# Altium PCB DM4K.pcbdoc (part 4 of 4)
Units mil, origin at the board's own origin, x right, y up, seen from the top; angles counter-clockwise.
Board outline 5262.35 x 2895 mil, 2 copper layers (Top Layer, Bottom Layer); 168 components, 255 nets, 1031 pads, 423 vias.
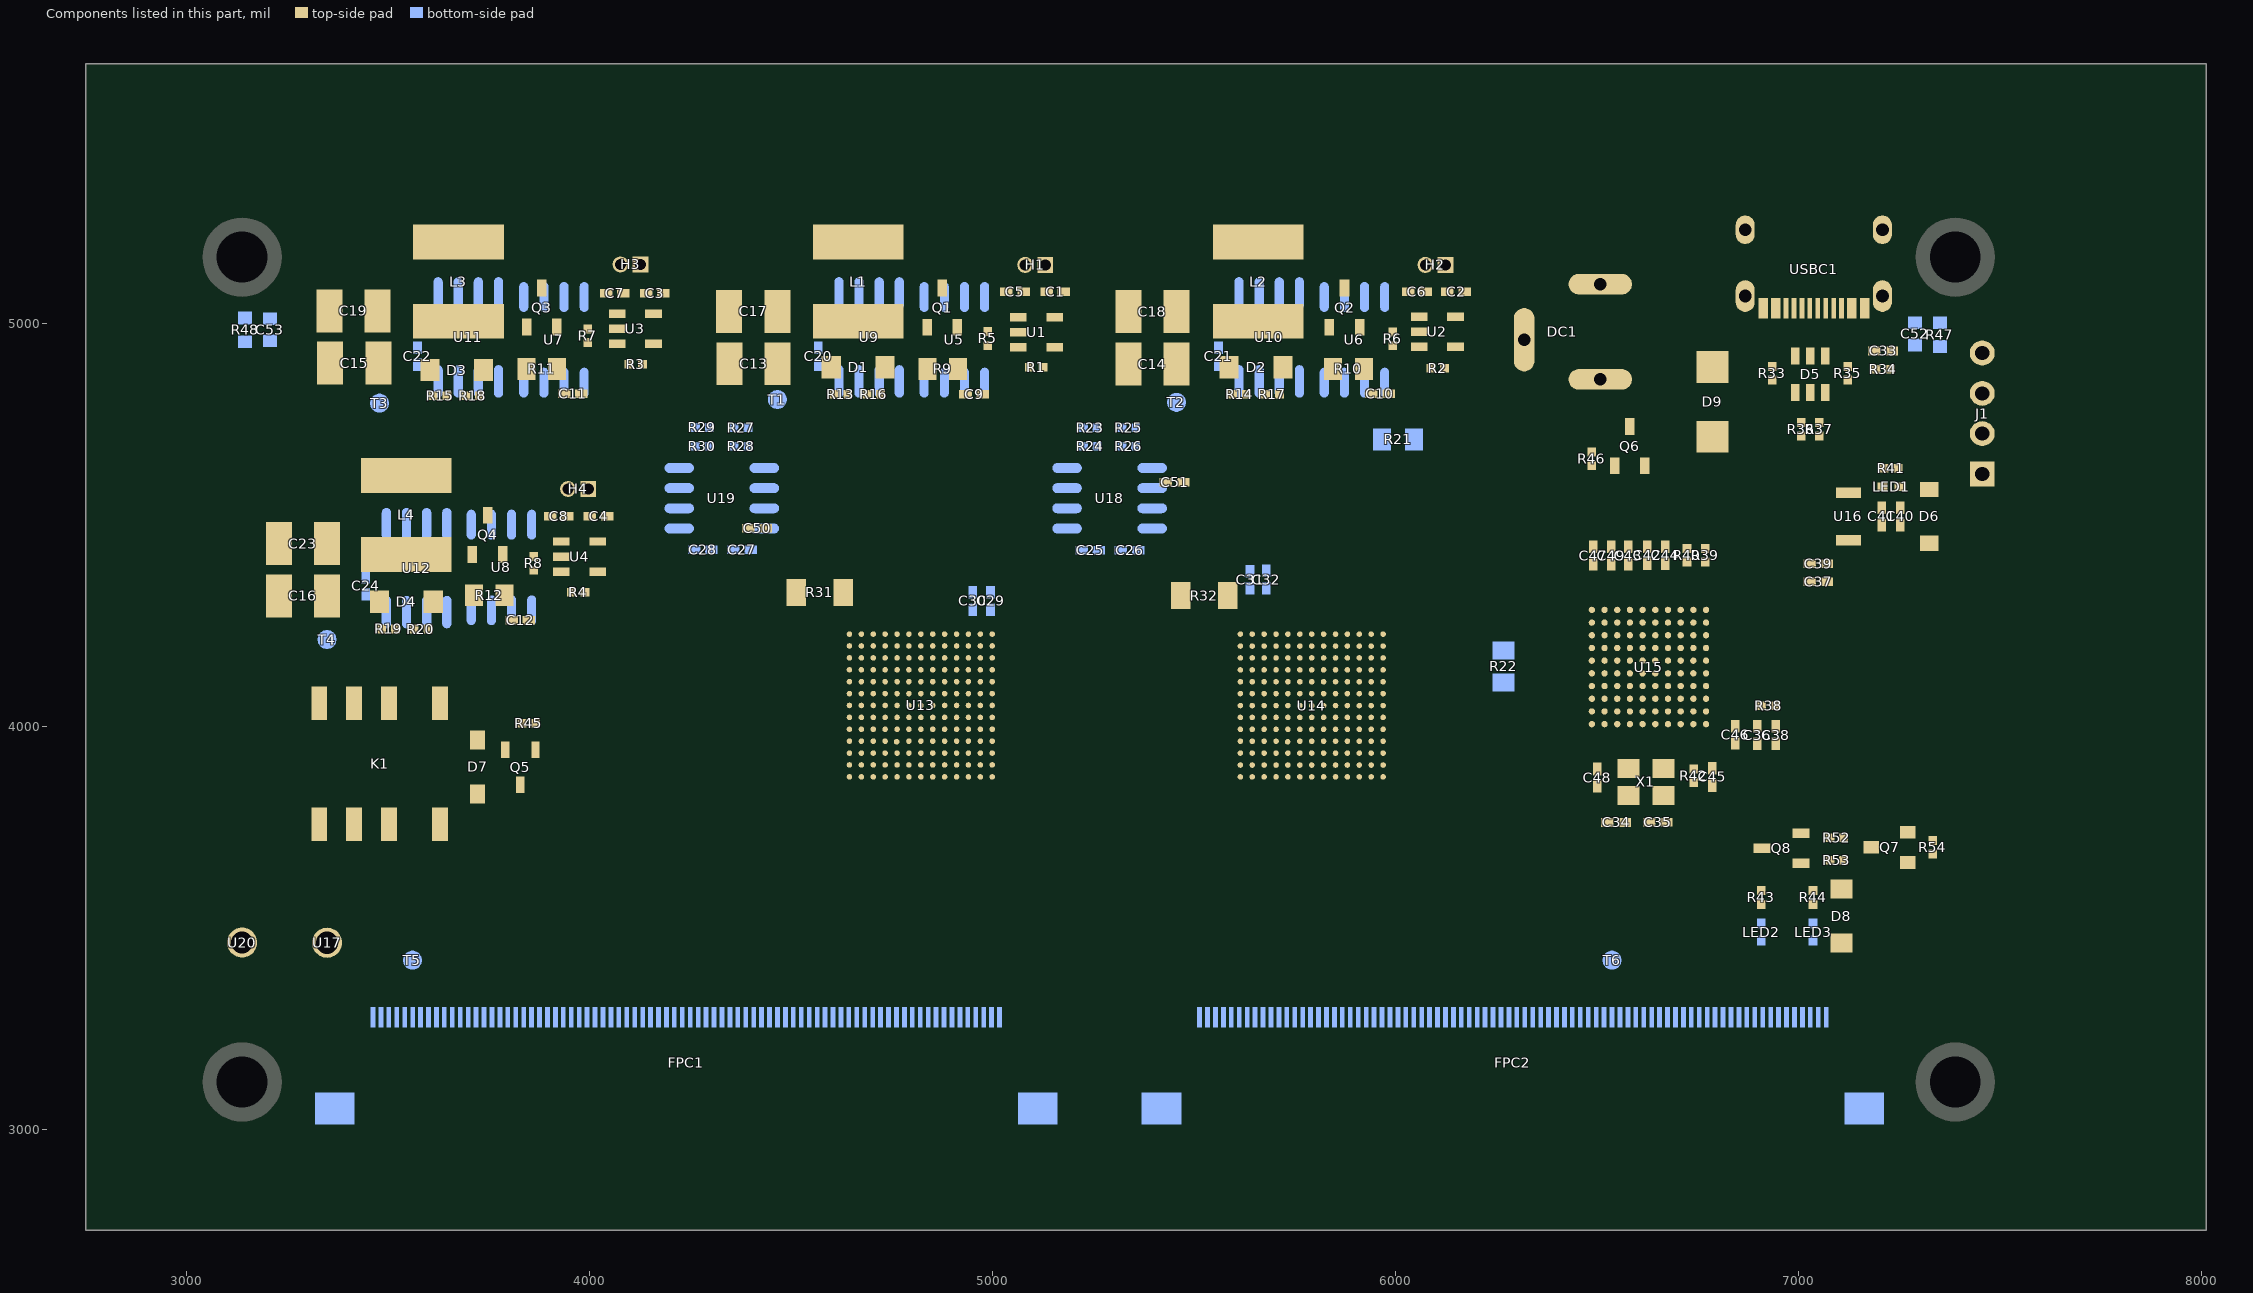
[diagram p4: the components of this part, seen from the top]

## Other copper (continued)
Inner1:
  region net 1D3A: 6458.2,4062.23 6462.21,4062.23 6462.34,4062.73 6462.68,4063.14 6463.18,4063.48 6463.78,4063.79 6465.07,4064.37 6465.64,4064.69 6466.08,4065.07 6454.27,4065.07 6454.72,4064.68 6455.3,4064.36 6456.6,4063.79 6457.21,4063.49 6457.72,4063.14 6458.07,4062.73
  region net 1D4A: 6426.81,4067.34 6426.81,4063.33 6427.8,4063.24 6428.6,4062.99 6429.27,4062.61 6429.84,4062.11 6430.95,4060.87 6431.58,4060.17 6432.33,4059.45 6432.33,4071.26 6431.57,4070.53 6430.39,4069.16 6429.85,4068.57 6429.57,4068.3 6429.27,4068.06 6428.96,4067.86 6428.61,4067.68 6428.23,4067.53 6427.81,4067.43 6427.34,4067.36
  region net 1D5A: 6532.75,4091.09 6529.91,4088.25 6530.55,4087.49 6530.95,4086.75 6531.14,4086.01 6531.2,4085.25 6531.09,4083.59 6531.04,4082.64 6531.06,4081.6 6539.41,4089.95 6538.36,4089.97 6536.56,4089.84 6535.76,4089.81 6535.38,4089.82 6535,4089.87 6534.63,4089.94 6534.26,4090.06 6533.89,4090.23 6533.52,4090.45 6533.14,4090.74
  region net 1D6A: 6561.39,4075.96 6564.23,4073.12 6564.62,4073.48 6565,4073.76 6565.37,4073.99 6565.74,4074.15 6566.11,4074.27 6566.48,4074.35 6566.86,4074.39 6567.24,4074.39 6568.04,4074.35 6569.85,4074.22 6570.91,4074.23 6562.56,4082.59 6562.54,4081.55 6562.65,4079.75 6562.68,4078.95 6562.66,4078.57 6562.62,4078.19 6562.54,4077.82 6562.42,4077.45 6562.25,4077.09 6562.02,4076.72 6561.74,4076.34
  region net 1D2A: 6532.75,4122.58 6529.91,4119.74 6530.55,4118.98 6530.95,4118.24 6531.14,4117.5 6531.2,4116.74 6531.09,4115.08 6531.04,4114.13 6531.06,4113.09 6539.41,4121.44 6538.36,4121.46 6536.56,4121.33 6535.76,4121.3 6535.38,4121.31 6535,4121.36 6534.63,4121.43 6534.26,4121.55 6533.89,4121.72 6533.52,4121.94 6533.14,4122.23
  region net 1D1A: 6564.27,4122.6 6561.43,4119.76 6561.79,4119.38 6562.08,4119 6562.3,4118.62 6562.47,4118.25 6562.59,4117.88 6562.66,4117.51 6562.7,4117.13 6562.71,4116.75 6562.67,4115.95 6562.54,4114.14 6562.56,4113.09 6570.91,4121.44 6569.87,4121.46 6568.07,4121.34 6567.27,4121.32 6566.89,4121.33 6566.51,4121.38 6566.14,4121.45 6565.77,4121.58 6565.4,4121.74 6565.03,4121.97 6564.66,4122.25
  region net 2OE: 6658.77,4247.61 6655.93,4244.77 6656.29,4244.38 6656.57,4244 6656.8,4243.63 6656.96,4243.26 6657.08,4242.89 6657.16,4242.51 6657.2,4242.14 6657.21,4241.75 6657.16,4240.95 6657.03,4239.14 6657.05,4238.09 6665.4,4246.44 6664.36,4246.46 6662.56,4246.35 6661.76,4246.32 6661.38,4246.34 6661.01,4246.38 6660.63,4246.46 6660.27,4246.58 6659.9,4246.75 6659.53,4246.97 6659.15,4247.26
  region net 2D2A: 6595.77,4247.61 6592.93,4244.77 6593.29,4244.38 6593.57,4244 6593.8,4243.63 6593.96,4243.26 6594.08,4242.89 6594.16,4242.51 6594.2,4242.14 6594.21,4241.75 6594.16,4240.95 6594.03,4239.14 6594.05,4238.09 6602.4,4246.44 6601.36,4246.46 6599.56,4246.35 6598.76,4246.32 6598.38,4246.34 6598.01,4246.38 6597.63,4246.46 6597.27,4246.58 6596.9,4246.75 6596.53,4246.97 6596.15,4247.26
  region net 2D1A: 6564.27,4247.6 6561.43,4244.76 6561.79,4244.38 6562.08,4244 6562.3,4243.62 6562.47,4243.25 6562.59,4242.88 6562.66,4242.51 6562.7,4242.13 6562.71,4241.75 6562.67,4240.95 6562.54,4239.14 6562.56,4238.09 6570.91,4246.44 6569.87,4246.46 6568.07,4246.34 6567.27,4246.32 6566.89,4246.33 6566.51,4246.38 6566.14,4246.45 6565.77,4246.58 6565.4,4246.74 6565.03,4246.97 6564.66,4247.25
  region net 1CLK: 6841.2,4144.38 6838.36,4147.22 6837.6,4146.59 6836.86,4146.19 6836.13,4145.99 6835.37,4145.93 6833.71,4146.02 6832.77,4146.07 6831.74,4146.05 6840.08,4137.69 6840.1,4138.75 6839.96,4140.56 6839.92,4141.36 6839.93,4141.75 6839.97,4142.12 6840.04,4142.49 6840.16,4142.86 6840.33,4143.23 6840.55,4143.61 6840.84,4143.99
  region net 1POL: 6824.5,4185.69 6821.66,4188.53 6820.9,4187.89 6820.15,4187.5 6819.41,4187.3 6818.65,4187.25 6816.99,4187.35 6816.05,4187.41 6815,4187.39 6823.35,4179.04 6823.37,4180.08 6823.25,4181.89 6823.22,4182.69 6823.23,4183.07 6823.27,4183.45 6823.35,4183.82 6823.47,4184.19 6823.64,4184.55 6823.86,4184.93 6824.15,4185.3
  region net 1DIR: 6841.22,4169.94 6838.38,4172.78 6837.62,4172.14 6836.88,4171.75 6836.14,4171.56 6835.38,4171.5 6833.72,4171.61 6832.78,4171.66 6831.73,4171.64 6840.08,4163.29 6840.1,4164.33 6839.98,4166.14 6839.94,4166.94 6839.95,4167.32 6840,4167.7 6840.07,4168.07 6840.19,4168.44 6840.36,4168.81 6840.58,4169.18 6840.87,4169.56
  region net 1LE: 6730.73,4173.63 6730.73,4177.64 6729.75,4177.73 6728.95,4177.97 6728.29,4178.35 6727.7,4178.85 6726.6,4180.08 6725.97,4180.78 6725.22,4181.5 6725.22,4169.69 6725.98,4170.42 6727.16,4171.8 6727.7,4172.4 6727.98,4172.66 6728.27,4172.9 6728.59,4173.11 6728.93,4173.29 6729.31,4173.43 6729.73,4173.54 6730.21,4173.6
  region net 1OE: 6730.73,4205.13 6730.73,4209.14 6729.75,4209.23 6728.95,4209.47 6728.29,4209.85 6727.7,4210.35 6726.6,4211.58 6725.97,4212.28 6725.22,4213 6725.22,4201.19 6725.98,4201.92 6727.16,4203.3 6727.7,4203.89 6727.98,4204.16 6728.27,4204.4 6728.59,4204.61 6728.93,4204.79 6729.31,4204.93 6729.73,4205.04 6730.21,4205.1
  region net 2OH: 6690.26,4247.61 6687.42,4244.77 6687.78,4244.38 6688.07,4244 6688.29,4243.63 6688.46,4243.26 6688.58,4242.89 6688.65,4242.52 6688.69,4242.14 6688.7,4241.76 6688.66,4240.96 6688.52,4239.14 6688.54,4238.09 6696.89,4246.44 6695.85,4246.46 6694.06,4246.35 6693.26,4246.32 6692.87,4246.34 6692.5,4246.39 6692.13,4246.47 6691.76,4246.59 6691.39,4246.76 6691.02,4246.98 6690.65,4247.26
  region net 2DIR: 6819.41,4307.37 6815.4,4307.37 6815.31,4306.39 6815.07,4305.59 6814.69,4304.93 6814.19,4304.34 6812.96,4303.23 6812.27,4302.61 6811.55,4301.86 6823.36,4301.86 6822.62,4302.62 6821.24,4303.8 6820.65,4304.34 6820.38,4304.62 6820.14,4304.91 6819.93,4305.22 6819.75,4305.57 6819.61,4305.95 6819.5,4306.37 6819.43,4306.84
  region net 2POL: 6791.91,4320.17 6787.9,4320.17 6787.67,4319.27 6787.07,4318.49 6786.18,4317.8 6785.11,4317.17 6782.83,4315.98 6781.83,4315.35 6781.04,4314.66 6792.85,4314.66 6792.39,4315.29 6792.08,4315.91 6791.91,4316.55 6791.83,4317.21 6791.82,4317.89
  region net 2CLK: 6802.84,4283.13 6800,4285.97 6799.23,4285.33 6798.49,4284.94 6797.75,4284.74 6796.99,4284.69 6795.33,4284.79 6794.39,4284.85 6793.34,4284.83 6801.69,4276.48 6801.71,4277.52 6801.59,4279.33 6801.56,4280.13 6801.57,4280.51 6801.61,4280.89 6801.69,4281.26 6801.81,4281.63 6801.98,4281.99 6802.2,4282.37 6802.49,4282.74
  region net 2LE: 6646.21,4360.52 6642.2,4360.52 6642.11,4359.54 6641.86,4358.74 6641.48,4358.07 6640.99,4357.49 6639.75,4356.39 6639.05,4355.76 6638.33,4355.01 6650.14,4355.01 6649.41,4355.77 6648.03,4356.95 6647.44,4357.49 6647.18,4357.77 6646.94,4358.06 6646.73,4358.38 6646.55,4358.72 6646.41,4359.1 6646.3,4359.53 6646.23,4360
  region net 2D4A: 6532.72,4216.05 6529.88,4213.21 6530.52,4212.46 6530.91,4211.72 6531.11,4210.98 6531.17,4210.22 6531.09,4208.56 6531.04,4207.63 6531.06,4206.59 6539.41,4214.94 6538.35,4214.96 6536.54,4214.82 6535.74,4214.78 6535.36,4214.79 6534.98,4214.83 6534.61,4214.9 6534.24,4215.02 6533.87,4215.18 6533.49,4215.41 6533.11,4215.7
  region net 2D5A: 6564.26,4216.1 6561.42,4213.25 6561.78,4212.87 6562.06,4212.49 6562.29,4212.12 6562.46,4211.75 6562.57,4211.38 6562.65,4211.01 6562.69,4210.63 6562.7,4210.25 6562.67,4209.45 6562.54,4207.64 6562.56,4206.59 6570.9,4214.95 6569.86,4214.97 6568.06,4214.85 6567.26,4214.82 6566.87,4214.83 6566.5,4214.87 6566.13,4214.95 6565.76,4215.07 6565.39,4215.24 6565.02,4215.46 6564.64,4215.75
  region net 2D2A: 6225.2,4385.1 6228.04,4387.94 6227.4,4388.7 6227.01,4389.44 6226.81,4390.18 6226.76,4390.94 6226.86,4392.6 6226.91,4393.54 6226.89,4394.59 6218.54,4386.23 6219.59,4386.22 6221.39,4386.34 6222.19,4386.38 6222.58,4386.37 6222.95,4386.33 6223.32,4386.25 6223.69,4386.13 6224.06,4385.96 6224.44,4385.74 6224.81,4385.45
  region net 2D5A: 6189.78,4366.41 6192.62,4369.25 6191.99,4370.01 6191.59,4370.75 6191.39,4371.49 6191.34,4372.25 6191.43,4373.91 6191.48,4374.85 6191.46,4375.88 6183.11,4367.53 6184.16,4367.52 6185.97,4367.65 6186.77,4367.69 6187.15,4367.68 6187.53,4367.64 6187.9,4367.56 6188.27,4367.45 6188.64,4367.28 6189.01,4367.05 6189.39,4366.77
  region net 2LE: 6258.29,4399.93 6258.29,4403.94 6257.77,4403.96 6257.29,4404.03 6256.87,4404.14 6256.49,4404.28 6256.15,4404.46 6255.83,4404.67 6255.54,4404.91 6255.26,4405.17 6254.72,4405.77 6253.54,4407.14 6252.78,4407.88 6252.78,4396.07 6253.53,4396.79 6254.72,4398.14 6255.26,4398.72 6255.55,4398.98 6255.85,4399.21 6256.16,4399.42 6256.51,4399.59 6256.89,4399.73 6257.31,4399.84 6257.78,4399.9
  region net 2OH: 6276.99,4374.43 6276.99,4378.44 6276.01,4378.53 6275.21,4378.77 6274.55,4379.15 6273.97,4379.64 6272.85,4380.88 6272.23,4381.57 6271.48,4382.29 6271.48,4370.48 6272.24,4371.21 6273.42,4372.59 6273.96,4373.19 6274.24,4373.46 6274.53,4373.7 6274.84,4373.91 6275.19,4374.09 6275.57,4374.23 6275.99,4374.34 6276.47,4374.4
  region net 2D1A: 6198.62,4386.08 6201.46,4388.92 6200.82,4389.68 6200.43,4390.42 6200.23,4391.17 6200.18,4391.93 6200.28,4393.59 6200.34,4394.53 6200.32,4395.58 6191.97,4387.22 6193.01,4387.21 6194.82,4387.33 6195.62,4387.36 6196,4387.35 6196.38,4387.31 6196.75,4387.23 6197.12,4387.11 6197.49,4386.94 6197.86,4386.72 6198.23,4386.43
  region net 2D4A: 6166.62,4366.87 6169.46,4369.71 6168.81,4370.3 6167.59,4371.16 6167.06,4371.54 6166.61,4371.95 6166.25,4372.45 6166,4373.09 6165.87,4373.92 6157.52,4365.56 6158.06,4365.57 6158.63,4365.65 6159.22,4365.79 6160.47,4366.19 6163,4367.1 6163.61,4367.28 6164.2,4367.41 6164.76,4367.47 6165.29,4367.47 6165.78,4367.37 6166.23,4367.18
  region net 2CLK: 6279.42,4416.73 6279.42,4420.74 6278.91,4420.87 6278.49,4421.21 6278.11,4421.71 6277.78,4422.31 6277.14,4423.6 6276.8,4424.16 6276.41,4424.61 6276.41,4412.8 6276.8,4413.25 6277.14,4413.83 6277.78,4415.13 6278.11,4415.74 6278.48,4416.25 6278.91,4416.6
  region net 1D3A: 4785.12,4189.61 4782.28,4192.45 4781.52,4191.81 4780.78,4191.42 4780.04,4191.23 4779.28,4191.17 4777.61,4191.28 4776.67,4191.34 4775.62,4191.32 4783.97,4182.97 4783.99,4184.01 4783.87,4185.81 4783.84,4186.61 4783.85,4187 4783.9,4187.37 4783.97,4187.74 4784.09,4188.11 4784.26,4188.48 4784.49,4188.85 4784.77,4189.23
  region net 1D6A: 4813.6,4190.69 4810.76,4193.53 4810.23,4193.07 4809.6,4192.66 4808.9,4192.3 4808.16,4191.99 4807.39,4191.74 4806.62,4191.54 4805.87,4191.41 4805.16,4191.33 4813.51,4182.98 4813.49,4183.83 4813.06,4187.05 4812.97,4188.15 4813,4189.16 4813.19,4190.02
  region net 2DIR: 6295.69,4455.16 6292.85,4458 6292.08,4457.36 6291.34,4456.97 6290.6,4456.77 6289.84,4456.72 6288.18,4456.82 6287.24,4456.88 6286.19,4456.86 6294.54,4448.51 6294.56,4449.55 6294.44,4451.35 6294.4,4452.15 6294.42,4452.54 6294.46,4452.91 6294.53,4453.29 6294.65,4453.66 6294.82,4454.02 6295.05,4454.4 6295.33,4454.77
  region net 2OE: 6314.37,4320.53 6317.21,4323.37 6316.66,4324.02 6316.26,4324.7 6315.98,4325.42 6315.8,4326.17 6315.69,4326.95 6315.54,4329.49 6307.19,4321.14 6307.82,4321.13 6308.4,4321.15 6308.94,4321.22 6309.91,4321.4 6311.16,4321.68 6311.55,4321.74 6311.93,4321.75 6312.31,4321.72 6312.7,4321.64 6313.09,4321.49 6313.49,4321.26 6313.92,4320.94
  region net 2POL: 6312.69,4425.16 6309.85,4428 6309.08,4427.36 6308.34,4426.97 6307.6,4426.77 6306.84,4426.72 6305.18,4426.82 6304.24,4426.88 6303.19,4426.86 6311.54,4418.51 6311.56,4419.55 6311.44,4421.35 6311.4,4422.15 6311.42,4422.54 6311.46,4422.91 6311.53,4423.29 6311.65,4423.66 6311.82,4424.02 6312.05,4424.4 6312.33,4424.77
  region net 1D1A: 5977.7,4519.85 5980.53,4522.69 5980.08,4523.08 5978.2,4524.44 5977.58,4524.93 5977.06,4525.44 5976.7,4525.97 5976.54,4526.49 5968.19,4518.14 5968.77,4518.15 5969.37,4518.25 5970,4518.41 5971.29,4518.88 5973.92,4519.97 5974.55,4520.19 5975.15,4520.35 5975.74,4520.45 5976.29,4520.46 5976.8,4520.38 5977.27,4520.18
  region net 1D2A: 5684.48,4517.09 5684.48,4521.1 5683.49,4521.19 5682.69,4521.44 5682.03,4521.82 5681.45,4522.32 5680.35,4523.57 5679.72,4524.27 5678.97,4525 5678.97,4513.19 5679.72,4513.91 5680.91,4515.28 5681.45,4515.87 5681.73,4516.13 5682.03,4516.37 5682.35,4516.57 5682.69,4516.75 5683.07,4516.89 5683.49,4517 5683.96,4517.06
  region net 1D5A: 5729.75,4502.33 5729.75,4506.34 5728.76,4506.43 5727.96,4506.68 5727.3,4507.06 5726.72,4507.56 5725.62,4508.81 5724.99,4509.51 5724.24,4510.24 5724.24,4498.43 5724.99,4499.15 5726.18,4500.52 5726.72,4501.11 5727,4501.37 5727.3,4501.61 5727.62,4501.81 5727.96,4501.99 5728.34,4502.13 5728.76,4502.24 5729.23,4502.3
  region net 1D4A: 5714,4485.63 5714,4489.64 5713.02,4489.73 5712.22,4489.97 5711.55,4490.36 5710.97,4490.85 5709.87,4492.09 5709.24,4492.79 5708.49,4493.51 5708.49,4481.7 5709.25,4482.43 5710.43,4483.8 5710.97,4484.4 5711.25,4484.66 5711.54,4484.9 5711.86,4485.11 5712.2,4485.29 5712.58,4485.43 5713.01,4485.54 5713.48,4485.6
  region net 1LE: 6203.28,4496.42 6203.28,4500.43 6202.33,4500.52 6201.62,4500.77 6201.1,4501.15 6200.69,4501.65 6199.89,4502.9 6199.36,4503.6 6198.65,4504.33 6198.65,4492.52 6199.04,4492.88 6199.36,4493.24 6199.65,4493.6 6200.11,4494.29 6200.69,4495.2 6200.89,4495.46 6201.1,4495.7 6201.35,4495.9 6201.62,4496.08 6201.95,4496.22 6202.33,4496.33 6202.77,4496.39
  region net 1CLK: 6125.67,4499.66 6122.83,4502.5 6122.07,4501.86 6121.33,4501.47 6120.59,4501.28 6119.83,4501.22 6118.17,4501.33 6117.23,4501.38 6116.18,4501.36 6124.53,4493.01 6124.55,4494.05 6124.43,4495.86 6124.39,4496.66 6124.4,4497.04 6124.45,4497.42 6124.52,4497.79 6124.64,4498.16 6124.81,4498.53 6125.03,4498.9 6125.32,4499.28
  region net 1OH: 6207.11,4465.93 6207.11,4469.94 6206.13,4470.03 6205.33,4470.27 6204.66,4470.66 6204.08,4471.15 6202.98,4472.4 6202.35,4473.1 6201.6,4473.82 6201.6,4462.01 6202.36,4462.74 6203.54,4464.11 6204.08,4464.7 6204.36,4464.96 6204.65,4465.2 6204.97,4465.41 6205.32,4465.59 6205.7,4465.73 6206.12,4465.84 6206.59,4465.9
  region net 1OH: 6697.49,4213.28 6694.65,4216.12 6693.9,4215.49 6693.16,4215.1 6692.42,4214.9 6691.66,4214.83 6690,4214.92 6689.07,4214.97 6688.03,4214.95 6696.38,4206.6 6696.4,4207.65 6696.26,4209.47 6696.22,4210.27 6696.23,4210.65 6696.27,4211.03 6696.34,4211.4 6696.46,4211.77 6696.63,4212.14 6696.85,4212.51 6697.14,4212.89
  region net 1DIR: 6119.76,4470.13 6116.92,4472.97 6116.16,4472.33 6115.42,4471.94 6114.68,4471.75 6113.92,4471.69 6112.26,4471.8 6111.32,4471.85 6110.27,4471.83 6118.62,4463.48 6118.64,4464.53 6118.52,4466.33 6118.48,4467.13 6118.49,4467.51 6118.54,4467.89 6118.61,4468.26 6118.73,4468.63 6118.9,4469 6119.12,4469.37 6119.41,4469.75
  region net 1OE: 6169.99,4470.12 6167.14,4472.95 6166.75,4472.59 6166.37,4472.3 6166,4472.08 6165.63,4471.91 6165.26,4471.79 6164.88,4471.72 6164.51,4471.68 6164.12,4471.67 6163.32,4471.71 6161.51,4471.85 6160.45,4471.83 6168.82,4463.5 6168.84,4464.53 6168.73,4466.32 6168.7,4467.12 6168.72,4467.51 6168.77,4467.88 6168.85,4468.25 6168.97,4468.62 6169.14,4468.99 6169.36,4469.36 6169.64,4469.73
  region net 1POL: 6145.4,4470.09 6142.56,4472.93 6142.17,4472.57 6141.79,4472.28 6141.41,4472.06 6141.04,4471.89 6140.67,4471.77 6140.3,4471.7 6139.92,4471.66 6139.54,4471.66 6138.74,4471.7 6136.92,4471.85 6135.86,4471.83 6144.21,4463.48 6144.23,4464.51 6144.13,4466.3 6144.11,4467.1 6144.12,4467.48 6144.17,4467.86 6144.25,4468.23 6144.37,4468.6 6144.54,4468.97 6144.77,4469.33 6145.05,4469.71
  region net ADC123_INP10: 6648.02,3950.93 6650.86,3948.09 6651.63,3948.73 6652.37,3949.12 6653.11,3949.32 6653.87,3949.38 6655.53,3949.27 6656.47,3949.22 6657.52,3949.23 6649.17,3957.59 6649.15,3956.54 6649.27,3954.74 6649.31,3953.94 6649.29,3953.55 6649.25,3953.18 6649.17,3952.81 6649.06,3952.44 6648.89,3952.07 6648.66,3951.7 6648.38,3951.32
  region net ADC123_INP11: 6635.34,3965.66 6639.35,3965.66 6639.48,3966.21 6639.82,3966.74 6640.33,3967.26 6640.94,3967.77 6642.8,3969.17 6643.25,3969.6 6631.44,3969.6 6631.89,3969.17 6633.75,3967.77 6634.36,3967.26 6634.86,3966.74 6635.21,3966.21
  region net ADC123_INP11: 5415.19,4391.66 5412.35,4394.5 5411.5,4394 5410.47,4393.9 5409.32,4394.1 5408.08,4394.5 5405.53,4395.44 5404.31,4395.77 5403.19,4395.86 5411.54,4387.51 5411.67,4388.34 5411.93,4388.98 5412.29,4389.46 5412.75,4389.86 5413.88,4390.61 5414.52,4391.07
  region net EN1: 6694.85,4080 6697.69,4082.84 6697.05,4083.6 6696.65,4084.34 6696.46,4085.09 6696.4,4085.84 6696.51,4087.51 6696.56,4088.45 6696.54,4089.49 6688.19,4081.14 6689.24,4081.12 6691.04,4081.25 6691.84,4081.28 6692.22,4081.27 6692.6,4081.23 6692.97,4081.15 6693.34,4081.03 6693.71,4080.86 6694.08,4080.64 6694.46,4080.35
  region net EN2: 6730.41,4086.99 6730.41,4091.01 6729.41,4091.1 6728.61,4091.34 6727.95,4091.73 6727.37,4092.23 6726.27,4093.47 6725.64,4094.18 6724.89,4094.91 6724.89,4083.09 6725.64,4083.82 6726.83,4085.18 6727.37,4085.77 6727.65,4086.04 6727.95,4086.27 6728.27,4086.48 6728.61,4086.66 6728.99,4086.8 6729.41,4086.9 6729.88,4086.97
  region net EN2: 6335.35,4711.5 6338.19,4714.34 6337.77,4714.79 6337.46,4715.21 6337.23,4715.62 6337.08,4716.01 6336.99,4716.39 6336.96,4716.77 6336.97,4717.15 6337.02,4717.54 6337.29,4718.79 6337.47,4719.75 6337.53,4720.29 6337.56,4720.87 6337.54,4721.49 6329.19,4713.14 6331.75,4713.01 6332.53,4712.9 6333.28,4712.73 6334,4712.45 6334.69,4712.05
  region net EN1: 5136.41,4781.99 5136.41,4786.01 5135.41,4786.1 5134.61,4786.34 5133.95,4786.73 5133.37,4787.23 5132.27,4788.47 5131.64,4789.18 5130.89,4789.91 5130.89,4778.09 5131.64,4778.82 5132.83,4780.18 5133.37,4780.77 5133.65,4781.04 5133.95,4781.27 5134.27,4781.48 5134.61,4781.66 5134.99,4781.8 5135.41,4781.9 5135.88,4781.97
  region net EN4: 6596.52,4059 6593.69,4056.16 6594.32,4055.4 6594.72,4054.66 6594.91,4053.91 6594.97,4053.16 6594.86,4051.49 6594.81,4050.55 6594.83,4049.51 6603.18,4057.86 6602.13,4057.88 6600.33,4057.75 6599.53,4057.72 6599.15,4057.73 6598.77,4057.77 6598.4,4057.85 6598.03,4057.97 6597.66,4058.14 6597.29,4058.36 6596.91,4058.65
  region net EN4: 5970.85,4560 5973.69,4562.84 5973.05,4563.6 5972.65,4564.34 5972.46,4565.09 5972.4,4565.85 5972.51,4567.51 5972.56,4568.45 5972.54,4569.49 5964.19,4561.14 5965.24,4561.12 5967.04,4561.25 5967.84,4561.28 5968.22,4561.27 5968.6,4561.23 5968.97,4561.15 5969.34,4561.03 5969.71,4560.86 5970.08,4560.64 5970.46,4560.35
  region net EN3: 4138.5,4797.65 4142.03,4801.19 4141.45,4801.88 4141.06,4802.58 4140.8,4803.31 4140.67,4804.06 4140.61,4804.85 4140.54,4807.49 4132.19,4799.14 4134.84,4799.08 4135.63,4799.02 4136.38,4798.88 4137.11,4798.63 4137.81,4798.23
  region net EN3: 6189.4,4726.5 6189.4,4721.5 6190.3,4721.42 6191.08,4721.21 6191.77,4720.87 6192.4,4720.44 6193,4719.92 6194.92,4718.09 6194.92,4729.91 6193,4728.08 6192.4,4727.56 6191.77,4727.13 6191.08,4726.79 6190.3,4726.58
  region net ADC123_INP10: 5386.85,4374 5389.69,4376.84 5389.05,4377.6 5388.65,4378.34 5388.46,4379.09 5388.4,4379.85 5388.51,4381.51 5388.56,4382.45 5388.54,4383.49 5380.19,4375.14 5381.24,4375.12 5383.04,4375.25 5383.84,4375.28 5384.22,4375.27 5384.6,4375.23 5384.97,4375.15 5385.34,4375.03 5385.71,4374.86 5386.08,4374.64 5386.46,4374.35
  region net DGND: 3655.5,4440 3663.56,4447.66 3671.17,4454.17 3678.06,4459.48 3684.64,4464.04 3690.81,4467.86 3696.49,4470.98 3701.64,4473.47 3706.87,4475.66 3711.49,4477.3 3716.16,4478.68 3720.19,4479.62 3724.24,4480.33 3727.63,4480.75 3731.02,4480.98 3733.74,4481.04 3733.74,4520.41 3729.14,4520.53 3724.59,4520.88 3721.03,4521.35 3717.57,4522.01 3714.24,4522.85 3711.85,4523.61 3709.55,4524.5 3707.37,4525.5 3705.99,4526.25 3704.66,4527.05 3703.4,4527.91 3702.21,4528.83 3701.08,4529.81 3700.03,4530.86 3699.06,4531.97 3698.17,4533.15 3697.36,4534.4 3696.64,4535.72 3696.01,4537.11 3695.48,4538.57 3695.05,4540.11 3694.72,4541.72 3694.5,4543.41 3694.38,4545.17 3694.37,4546.09 3655,4546.09 3654.83,4539.96 3654.25,4532.92 3653.26,4525.65 3651.86,4518.26 3650.06,4510.85 3647.86,4503.51 3645.51,4496.98 3643.12,4491.3 3640.77,4486.43 3638.22,4481.79 3635.81,4477.94 3633.63,4474.82 3631.33,4471.88 3629.32,4469.58 3627.66,4467.84
  region net DGND: 3660.77,4951.92 3688.6,4924.08 ccw(c3674.69,4938) 3694.37,4938.2 3674.88,4957.68 ccw(c3674.69,4938)
  region net DGND: 4070.93,4995.08 4093,4961.48 ccw(c4023.86,5030.61) 4112.49,4989.32 4093,5008.8 ccw(c4111.37,4954.63)
Inner2:
  region net SPI3_CS2: 6278.69,4713.72 6274.68,4713.72 6274.59,4712.73 6274.34,4711.93 6273.96,4711.26 6273.46,4710.69 6272.21,4709.59 6271.51,4708.96 6270.78,4708.21 6282.59,4708.21 6281.86,4708.96 6280.5,4710.15 6279.91,4710.69 6279.65,4710.97 6279.41,4711.26 6279.2,4711.58 6279.03,4711.93 6278.89,4712.31 6278.78,4712.73 6278.72,4713.2
  region net SPI3_CS1: 6270.52,4677 6267.69,4674.16 6268.32,4673.4 6268.72,4672.66 6268.91,4671.91 6268.97,4671.16 6268.86,4669.49 6268.81,4668.55 6268.83,4667.51 6277.18,4675.86 6276.13,4675.88 6274.33,4675.75 6273.53,4675.72 6273.15,4675.73 6272.77,4675.77 6272.4,4675.85 6272.03,4675.97 6271.66,4676.14 6271.29,4676.36 6270.91,4676.65
  region net SPI3_MOSI: 6297.69,4618.72 6293.68,4618.72 6293.59,4617.73 6293.34,4616.93 6292.96,4616.26 6292.46,4615.69 6291.21,4614.59 6290.51,4613.96 6289.78,4613.21 6301.59,4613.21 6300.86,4613.96 6299.5,4615.15 6298.91,4615.69 6298.65,4615.97 6298.41,4616.26 6298.2,4616.58 6298.03,4616.93 6297.89,4617.31 6297.78,4617.73 6297.72,4618.2
  region net SPI3_SCK: 6314.69,4637.72 6310.68,4637.72 6310.59,4636.73 6310.34,4635.93 6309.96,4635.26 6309.46,4634.69 6308.21,4633.59 6307.51,4632.96 6306.78,4632.21 6318.59,4632.21 6317.86,4632.96 6316.5,4634.15 6315.91,4634.69 6315.65,4634.97 6315.41,4635.26 6315.2,4635.58 6315.03,4635.93 6314.89,4636.31 6314.78,4636.73 6314.72,4637.2
  region net 1OL: 6802.73,4173.51 6798.72,4173.51 6798.63,4172.52 6798.38,4171.72 6798,4171.06 6797.5,4170.48 6796.25,4169.38 6795.55,4168.75 6794.82,4168 6806.63,4168 6805.9,4168.75 6804.54,4169.94 6803.95,4170.48 6803.69,4170.76 6803.45,4171.06 6803.24,4171.37 6803.07,4171.72 6802.92,4172.1 6802.82,4172.52 6802.75,4172.99
  region net 2OL: 6753.51,4324.1 6749.5,4324.1 6749.59,4321.82 6749.58,4321.14 6749.5,4320.48 6749.33,4319.84 6749.02,4319.22 6748.56,4318.59 6760.37,4318.59 6760.01,4318.95 6759.58,4319.28 6759.1,4319.6 6758.02,4320.21 6755.75,4321.41 6755.23,4321.73 6754.76,4322.07 6754.34,4322.42 6754,4322.8 6753.74,4323.2 6753.57,4323.64
  region net 2RST: 6773.03,4339.89 6769.02,4339.82 6768.95,4338.82 6768.71,4338.02 6768.34,4337.35 6767.85,4336.77 6766.61,4335.65 6765.92,4335.01 6765.2,4334.24 6777.01,4334.44 6776.27,4335.18 6774.9,4336.34 6774.3,4336.87 6774.03,4337.15 6773.79,4337.44 6773.58,4337.76 6773.4,4338.1 6773.25,4338.48 6773.14,4338.9 6773.06,4339.36
  region net 1RST: 6697.52,4181.75 6694.69,4184.6 6693.93,4183.97 6693.19,4183.58 6692.45,4183.38 6691.69,4183.32 6690.03,4183.42 6689.09,4183.47 6688.06,4183.45 6696.38,4175.07 6696.4,4176.13 6696.27,4177.94 6696.23,4178.74 6696.24,4179.12 6696.28,4179.5 6696.36,4179.87 6696.47,4180.24 6696.64,4180.61 6696.87,4180.99 6697.16,4181.36
  region net 2RST: 5814.64,4189.63 5811.8,4192.47 5811.04,4191.83 5810.3,4191.44 5809.56,4191.24 5808.8,4191.18 5807.14,4191.29 5806.19,4191.34 5805.15,4191.32 5813.5,4182.97 5813.52,4184.02 5813.39,4185.82 5813.36,4186.62 5813.37,4187.01 5813.41,4187.38 5813.49,4187.75 5813.61,4188.12 5813.78,4188.49 5814,4188.86 5814.28,4189.24
  region net 2OL: 5844.2,4189.59 5841.36,4192.43 5840.98,4192.08 5840.59,4191.79 5840.22,4191.56 5839.85,4191.4 5839.48,4191.28 5839.11,4191.21 5838.73,4191.17 5838.35,4191.16 5837.55,4191.2 5835.74,4191.34 5834.68,4191.32 5843.03,4182.97 5843.05,4184.01 5842.94,4185.8 5842.91,4186.6 5842.93,4186.98 5842.98,4187.36 5843.06,4187.73 5843.18,4188.1 5843.35,4188.47 5843.57,4188.84 5843.85,4189.21
  region net 1RST: 4842.79,4175.91 4845.63,4178.75 4845.18,4179.25 4844.73,4179.83 4844.31,4180.48 4843.92,4181.17 4843.59,4181.88 4843.32,4182.59 4843.14,4183.29 4843.04,4183.96 4834.69,4175.6 4835.62,4175.64 4837.82,4176.06 4838.99,4176.3 4840.12,4176.47 4841.17,4176.51 4842.08,4176.35
  region net 1OL: 4873.72,4189.61 4870.88,4192.45 4870.49,4192.09 4870.11,4191.81 4869.74,4191.58 4869.37,4191.41 4869,4191.3 4868.63,4191.22 4868.25,4191.18 4867.87,4191.17 4867.07,4191.21 4865.26,4191.34 4864.21,4191.32 4872.56,4182.97 4872.58,4184.01 4872.46,4185.81 4872.43,4186.61 4872.45,4186.99 4872.49,4187.37 4872.57,4187.74 4872.69,4188.11 4872.86,4188.48 4873.08,4188.85 4873.37,4189.22
  region net SPI3_SCK: 5650.97,5142.01 5650.97,5137.99 5651.96,5137.9 5652.76,5137.66 5653.42,5137.27 5654,5136.77 5655.1,5135.53 5655.73,5134.82 5656.48,5134.09 5656.48,5145.91 5655.73,5145.18 5654.54,5143.82 5654,5143.23 5653.72,5142.96 5653.42,5142.73 5653.1,5142.52 5652.76,5142.34 5652.38,5142.2 5651.96,5142.1 5651.49,5142.03
  region net SPI3_SCK: 5672.41,5137.99 5672.41,5142.01 5671.41,5142.1 5670.61,5142.34 5669.95,5142.73 5669.37,5143.23 5668.27,5144.47 5667.64,5145.18 5666.89,5145.91 5666.89,5134.09 5667.64,5134.82 5668.83,5136.18 5669.37,5136.77 5669.65,5137.04 5669.95,5137.27 5670.27,5137.48 5670.61,5137.66 5670.99,5137.8 5671.41,5137.9 5671.88,5137.97
  region net SPI3_MOSI: 5701.23,5125.01 5701.23,5120.99 5702.22,5120.9 5703.03,5120.66 5703.69,5120.27 5704.26,5119.77 5705.36,5118.53 5705.99,5117.82 5706.74,5117.09 5706.74,5128.91 5705.99,5128.18 5704.81,5126.82 5704.26,5126.23 5703.98,5125.96 5703.69,5125.73 5703.37,5125.52 5703.03,5125.34 5702.65,5125.2 5702.22,5125.1 5701.76,5125.03
  region net SPI3_MOSI: 5722.67,5120.99 5722.67,5125.01 5721.68,5125.1 5720.88,5125.34 5720.22,5125.73 5719.64,5126.23 5718.54,5127.47 5717.91,5128.18 5717.16,5128.91 5717.16,5117.09 5717.91,5117.82 5719.1,5119.18 5719.64,5119.77 5719.92,5120.04 5720.22,5120.27 5720.53,5120.48 5720.88,5120.66 5721.26,5120.8 5721.68,5120.9 5722.15,5120.97
  region net SPI3_SCK: 4657.97,5142.01 4657.97,5137.99 4658.96,5137.9 4659.76,5137.66 4660.42,5137.27 4661,5136.77 4662.1,5135.53 4662.73,5134.82 4663.48,5134.09 4663.48,5145.91 4662.73,5145.18 4661.54,5143.82 4661,5143.23 4660.72,5142.96 4660.42,5142.73 4660.1,5142.52 4659.76,5142.34 4659.38,5142.2 4658.96,5142.1 4658.49,5142.03
  region net SPI3_SCK: 4679.41,5137.99 4679.41,5142.01 4678.41,5142.1 4677.61,5142.34 4676.95,5142.73 4676.37,5143.23 4675.27,5144.47 4674.64,5145.18 4673.89,5145.91 4673.89,5134.09 4674.64,5134.82 4675.83,5136.18 4676.37,5136.77 4676.65,5137.04 4676.95,5137.27 4677.27,5137.48 4677.61,5137.66 4677.99,5137.8 4678.41,5137.9 4678.88,5137.97
  region net SPI3_MOSI: 4707.97,5125.01 4707.97,5120.99 4708.96,5120.9 4709.76,5120.66 4710.42,5120.27 4711,5119.77 4712.1,5118.53 4712.73,5117.82 4713.48,5117.09 4713.48,5128.91 4712.73,5128.18 4711.54,5126.82 4711,5126.23 4710.72,5125.96 4710.42,5125.73 4710.1,5125.52 4709.76,5125.34 4709.38,5125.2 4708.96,5125.1 4708.49,5125.03
  region net SPI3_MOSI: 4729.41,5120.99 4729.41,5125.01 4728.41,5125.1 4727.61,5125.34 4726.95,5125.73 4726.37,5126.23 4725.27,5127.47 4724.64,5128.18 4723.89,5128.91 4723.89,5117.09 4724.64,5117.82 4725.83,5119.18 4726.37,5119.77 4726.65,5120.04 4726.95,5120.27 4727.27,5120.48 4727.61,5120.66 4727.99,5120.8 4728.41,5120.9 4728.88,5120.97
  region net SPI3_SCK: 3663.97,5139.59 3663.97,5135.57 3664.88,5135.5 3665.66,5135.27 3666.34,5134.93 3666.97,5134.49 3667.56,5133.96 3669.48,5132.09 3669.48,5143.91 3669.05,5143.5 3668.67,5143.1 3668.04,5142.32 3667.27,5141.25 3667.03,5140.94 3666.77,5140.65 3666.5,5140.39 3666.2,5140.16 3665.86,5139.96 3665.48,5139.8 3665.04,5139.69 3664.54,5139.61
  region net SPI3_SCK: 3685.41,5135.57 3685.41,5139.59 3684.83,5139.61 3684.33,5139.69 3683.89,5139.8 3683.51,5139.96 3683.17,5140.16 3682.87,5140.39 3682.6,5140.65 3682.34,5140.94 3681.6,5141.95 3681.03,5142.71 3680.7,5143.1 3680.32,5143.5 3679.89,5143.91 3679.89,5132.09 3681.81,5133.96 3682.4,5134.49 3683.03,5134.93 3683.71,5135.27 3684.49,5135.5
  region net SPI3_MOSI: 3734.85,5120.99 3734.85,5125.01 3733.86,5125.1 3733.05,5125.34 3732.39,5125.73 3731.82,5126.23 3730.71,5127.47 3730.09,5128.18 3729.34,5128.91 3729.34,5117.09 3730.09,5117.82 3731.27,5119.18 3731.82,5119.77 3732.1,5120.04 3732.39,5120.27 3732.71,5120.48 3733.05,5120.66 3733.43,5120.8 3733.86,5120.9 3734.32,5120.97
  region net SPI3_MOSI: 3713.41,5125.01 3713.41,5120.99 3714.4,5120.9 3715.2,5120.66 3715.86,5120.27 3716.44,5119.77 3717.54,5118.53 3718.17,5117.82 3718.92,5117.09 3718.92,5128.91 3718.17,5128.18 3716.98,5126.82 3716.44,5126.23 3716.16,5125.96 3715.86,5125.73 3715.55,5125.52 3715.2,5125.34 3714.82,5125.2 3714.4,5125.1 3713.93,5125.03
  region net SPI3_MOSI: 3597.69,4568.72 3593.68,4568.72 3593.59,4567.76 3593.36,4566.97 3592.99,4566.3 3592.52,4565.7 3591.32,4564.56 3590.65,4563.93 3589.96,4563.21 3601.77,4563.21 3601.39,4563.62 3600.64,4564.31 3599.27,4565.41 3598.97,4565.68 3598.69,4565.94 3598.45,4566.23 3598.23,4566.54 3598.04,4566.88 3597.89,4567.26 3597.78,4567.69 3597.72,4568.18
  region net SPI3_SCK: 3554.68,4564.16 3551.85,4567 3551.08,4566.36 3550.34,4565.97 3549.6,4565.77 3548.84,4565.72 3547.18,4565.82 3546.24,4565.88 3545.19,4565.86 3553.54,4557.51 3553.56,4558.55 3553.44,4560.35 3553.4,4561.16 3553.42,4561.54 3553.46,4561.91 3553.53,4562.29 3553.65,4562.66 3553.82,4563.02 3554.05,4563.4 3554.33,4563.77
  region net SPI3_CS1: 4597.41,5102.99 4597.41,5107.01 4596.41,5107.1 4595.61,5107.34 4594.95,5107.73 4594.37,5108.23 4593.27,5109.47 4592.64,5110.18 4591.89,5110.91 4591.89,5099.09 4592.64,5099.82 4593.83,5101.18 4594.37,5101.77 4594.65,5102.04 4594.95,5102.27 4595.27,5102.48 4595.61,5102.66 4595.99,5102.8 4596.41,5102.9 4596.88,5102.97
  region net SPI3_CS2: 5592.41,5099.99 5592.41,5104.01 5591.41,5104.1 5590.61,5104.34 5589.95,5104.73 5589.37,5105.23 5588.27,5106.47 5587.64,5107.18 5586.89,5107.91 5586.89,5096.09 5587.64,5096.82 5588.83,5098.18 5589.37,5098.77 5589.65,5099.04 5589.95,5099.27 5590.27,5099.48 5590.61,5099.66 5590.99,5099.8 5591.41,5099.9 5591.88,5099.97
  region net SPI3_CS3: 6244.69,4694.72 6240.68,4694.72 6240.61,4693.92 6240.43,4693.17 6240.14,4692.45 6239.77,4691.76 6239.33,4691.1 6238.32,4689.83 6237.78,4689.21 6249.59,4689.21 6249.03,4689.77 6246.68,4691.79 6245.92,4692.53 6245.29,4693.27 6244.85,4694.01
  region net SPI3_CS3: 3604.68,5103.16 3601.85,5106 3601.08,5105.36 3600.34,5104.97 3599.6,5104.77 3598.84,5104.72 3597.18,5104.82 3596.24,5104.88 3595.19,5104.86 3603.54,5096.51 3603.56,5097.55 3603.44,5099.35 3603.4,5100.16 3603.42,5100.54 3603.46,5100.91 3603.53,5101.29 3603.65,5101.66 3603.82,5102.02 3604.05,5102.4 3604.33,5102.77
  region net SPI3_CS4: 4122.52,4331 4119.69,4328.16 4120.32,4327.4 4120.72,4326.66 4120.91,4325.91 4120.97,4325.16 4120.86,4323.49 4120.81,4322.55 4120.83,4321.51 4129.18,4329.86 4128.13,4329.88 4126.33,4329.75 4125.53,4329.72 4125.15,4329.73 4124.77,4329.77 4124.4,4329.85 4124.03,4329.97 4123.66,4330.14 4123.29,4330.36 4122.91,4330.65
  region net SPI3_CS4: 3461.85,4499 3464.68,4501.84 3464.05,4502.6 3463.65,4503.34 3463.46,4504.09 3463.4,4504.84 3463.51,4506.51 3463.56,4507.45 3463.54,4508.49 3455.19,4500.14 3456.24,4500.12 3458.04,4500.25 3458.84,4500.28 3459.22,4500.27 3459.6,4500.23 3459.97,4500.15 3460.34,4500.03 3460.71,4499.86 3461.08,4499.64 3461.46,4499.35
  region net $2N20: 5730.9,4027.89 5731.79,4027.86 5732.61,4027.78 5733.36,4027.64 5734.05,4027.45 5734.67,4027.21 5735.24,4026.92 5735.75,4026.58 5736.21,4026.2 5736.61,4025.77 5736.97,4025.31 5737.29,4024.8 5737.56,4024.26 5737.79,4023.68 5737.98,4023.06 5738.14,4022.42 5738.37,4021.03 5738.5,4019.54 5738.54,4017.13 5738.27,4009.13 5738.26,4008.21 5757.95,4008.21 5757.98,4009.13 5758.06,4010.05 5758.2,4010.96 5758.39,4011.87 5758.63,4012.78 5758.92,4013.67 5759.64,4015.43 5760.53,4017.12 5761.58,4018.75 5762.77,4020.29 5764.09,4021.72 5765.53,4023.05 5767.07,4024.24 5768.7,4025.29 5770.4,4026.17 5772.15,4026.89 5773.05,4027.18 5773.95,4027.42 5774.86,4027.61 5775.78,4027.75 5776.7,4027.83 5777.62,4027.86 5777.64,4047.54 5757.95,4037.72 5730.9,4047.58
  region net $2N19: 4748.97,4050.05 4750.77,4048.14 4753.01,4045.49 4755.2,4042.59 4757.72,4038.82 4760.08,4034.82 4762.23,4030.64 4763.84,4027.07 4765.23,4023.47 4766.4,4019.88 4767.15,4017.04 4767.72,4014.24 4768.02,4012.19 4768.2,4010.18 4768.26,4008.23 4787.95,4008.23 4788.03,4010.07 4788.26,4011.9 4788.65,4013.7 4789.19,4015.45 4789.86,4017.15 4790.67,4018.77 4791.6,4020.31 4792.65,4021.75 4793.82,4023.07 4795.1,4024.26 4795.78,4024.81 4796.48,4025.31 4797.21,4025.78 4797.96,4026.2 4798.74,4026.58 4799.53,4026.92 4800.35,4027.21 4801.19,4027.45 4802.05,4027.64 4802.92,4027.78 4803.82,4027.86 4804.73,4027.89 4804.73,4047.58 4802.26,4047.66 4799.65,4047.91 4796.22,4048.44 4792.65,4049.2 4788.27,4050.39 4783.87,4051.85 4779.53,4053.56 4775.36,4055.49 4772.07,4057.25 4769,4059.12 4766.75,4060.68 4765.19,4061.89 4763.76,4063.13 4762.89,4063.97
  region net $2N20: 5826.96,4008.11 5846.65,4008.11 5836.8,4027.79 5807.3,4047.51
  region net $2N19: 4856.76,4008.33 4876.45,4008.33 4866.6,4027.92 4837.2,4047.61
  region net $2N19: 4679.55,4316.34 4681.32,4316.28 4683.06,4316.11 4684.76,4315.83 4686.44,4315.45 4688.08,4314.97 4689.69,4314.4 4691.27,4313.75 4693.34,4312.75 4695.35,4311.63 4697.81,4310.06 4700.2,4308.34 4703.45,4305.72 4707.46,4302.09 4711.31,4298.32 4725.26,4312.21 4704.4,4319.21 4679.55,4336.03
  region net $2N20: 5826.96,4027.8 5826.98,4047.49 ccw(c5826.95,4018.89) 5814.32,4044.55 5814.31,4030.77 ccw(c5826.99,4056.4)
  region net SPI3_SCK: 3663.97,5139.59 3663.97,5135.57 3664.88,5135.5 3665.66,5135.27 3666.34,5134.93 3666.97,5134.49 3667.56,5133.96 3669.48,5132.09 3669.48,5143.91 3669.05,5143.5 3668.67,5143.1 3668.04,5142.32 3667.27,5141.25 3667.03,5140.94 3666.77,5140.65 3666.5,5140.39 3666.2,5140.16 3665.86,5139.96 3665.48,5139.8 3665.04,5139.69 3664.54,5139.61
  region net SPI3_SCK: 3685.41,5135.57 3685.41,5139.59 3684.83,5139.61 3684.33,5139.69 3683.89,5139.8 3683.51,5139.96 3683.17,5140.16 3682.87,5140.39 3682.6,5140.65 3682.34,5140.94 3681.6,5141.95 3681.03,5142.71 3680.7,5143.1 3680.32,5143.5 3679.89,5143.91 3679.89,5132.09 3681.81,5133.96 3682.4,5134.49 3683.03,5134.93 3683.71,5135.27 3684.49,5135.5
  region net VPP2: 5485.52,4794.08 5484.26,4795.43 5483,4796.93 5481.34,4799.15 5479.31,4802.22 5477.36,4805.58 5475.16,4809.89 5473.15,4814.41 5471.38,4819.02 5469.89,4823.62 5468.89,4827.38 5468.15,4830.99 5467.76,4833.73 5467.59,4835.68 5467.53,4837.53 5447.84,4837.53 5457.69,4817.84 5471.6,4780.16
  region net CHIP_VCC: 3466.84,4833.53 3466.78,4831.68 3466.61,4829.73 3466.22,4826.99 3465.48,4823.38 3464.48,4819.62 3462.99,4815.02 3461.22,4810.41 3459.21,4805.89 3457.01,4801.58 3455.06,4798.22 3453.03,4795.15 3451.37,4792.93 3450.11,4791.43 3448.85,4790.08 3462.77,4776.16 3469.73,4797.04 3486.53,4833.53
  region net 3.3V: 3543.56,5160.96 3532.53,5177.76 ccw(c3567.1,5143.19) 3522.78,5163.84 3532.53,5154.1 ccw(c3523.34,5181.18)
  region net 3.3V: 4534.56,5169.96 4523.53,5186.76 ccw(c4558.1,5152.19) 4513.78,5172.84 4523.53,5163.1 ccw(c4514.34,5190.18)
  region net 3.3V: 5495.84,5185.76 5484.81,5168.96 ccw(c5505.03,5189.18) 5495.84,5162.1 5505.59,5171.84 ccw(c5461.27,5151.19)
  region net 3.3V: 6999.85,4461.92 7001.11,4460.57 7002.37,4459.07 7004.03,4456.85 7006.06,4453.78 7008.01,4450.42 7010.21,4446.11 7012.22,4441.59 7013.99,4436.98 7015.48,4432.38 7016.48,4428.62 7017.22,4425.01 7017.61,4422.27 7017.78,4420.32 7017.84,4418.47 7037.53,4418.47 7027.69,4438.16 7013.77,4475.84
  region net 5V: 6653.8,4716.96 6655.58,4718.64 6658.06,4720.73 6660.78,4722.77 6664.31,4725.12 6668.06,4727.32 6671.98,4729.33 6675.33,4730.83 6678.7,4732.13 6682.07,4733.22 6684.73,4733.92 6687.35,4734.45 6689.27,4734.72 6691.14,4734.9 6692.96,4734.95 6692.96,4754.64 6677.56,4744.8 6639.88,4730.88
  region net 3.3V: 6867.8,4040.74 6851.2,4051.99 ccw(c6872.3,4030.89) 6844.14,4040.75 6853.88,4031 ccw(c6833.23,4075.31)
Bottom Layer:
  drawing of 495 lines, arcs and shapes, not listed

## Silkscreen, mask and mechanical layers (free items; w line width, h text height)
Top Silkscreen Layer:
  lines w3.94 net "": 7142.69,3646 7145.69,3646 7168.69,3623 ; 7170.69,4626 7181.21,4615.47 7187.69,4615.47 ; 7256.69,4466 7262.69,4460 7262.69,4428
  text "DC-5V" at 6132.09,5210.34 h66.9
  text "CLK" at 7392.46,4896.05 h44.6 r90
  text "DIO" at 7391.46,4790.05 h44.6 r90
  text "GND" at 7390.46,4675.05 h44.6 r90
  text "3.3" at 7392.46,4596.05 h44.6 r90
Bottom Silkscreen Layer:
  text "DC-5V" at 6601.09,5171.34 h66.9
  text "USB" at 7091.76,5165.34 h66.9
  text "VPP1" at 4452.85,4844.23 h44.6
  text "VCC3" at 3433.85,4800.23 h44.6
  text "CHIP_VCC" at 3442.29,4765.23 h44.6
  text "VPP2" at 5586.85,4763.23 h44.6
  text "VCC4" at 3298.85,4209.23 h44.6
  text "COVER" at 3448.09,3530.34 h66.9
  text "GND" at 3207.76,3529.34 h66.9
Bottom Solder Mask Layer:
  text "DM_lite AM4K v1.0" at 7427.09,4352.34 h66.9
  text "www.acxel.com" at 7369.43,3797.34 h66.9